# KiCad board Boston-PCB-V08D.kicad_pcb (continued)
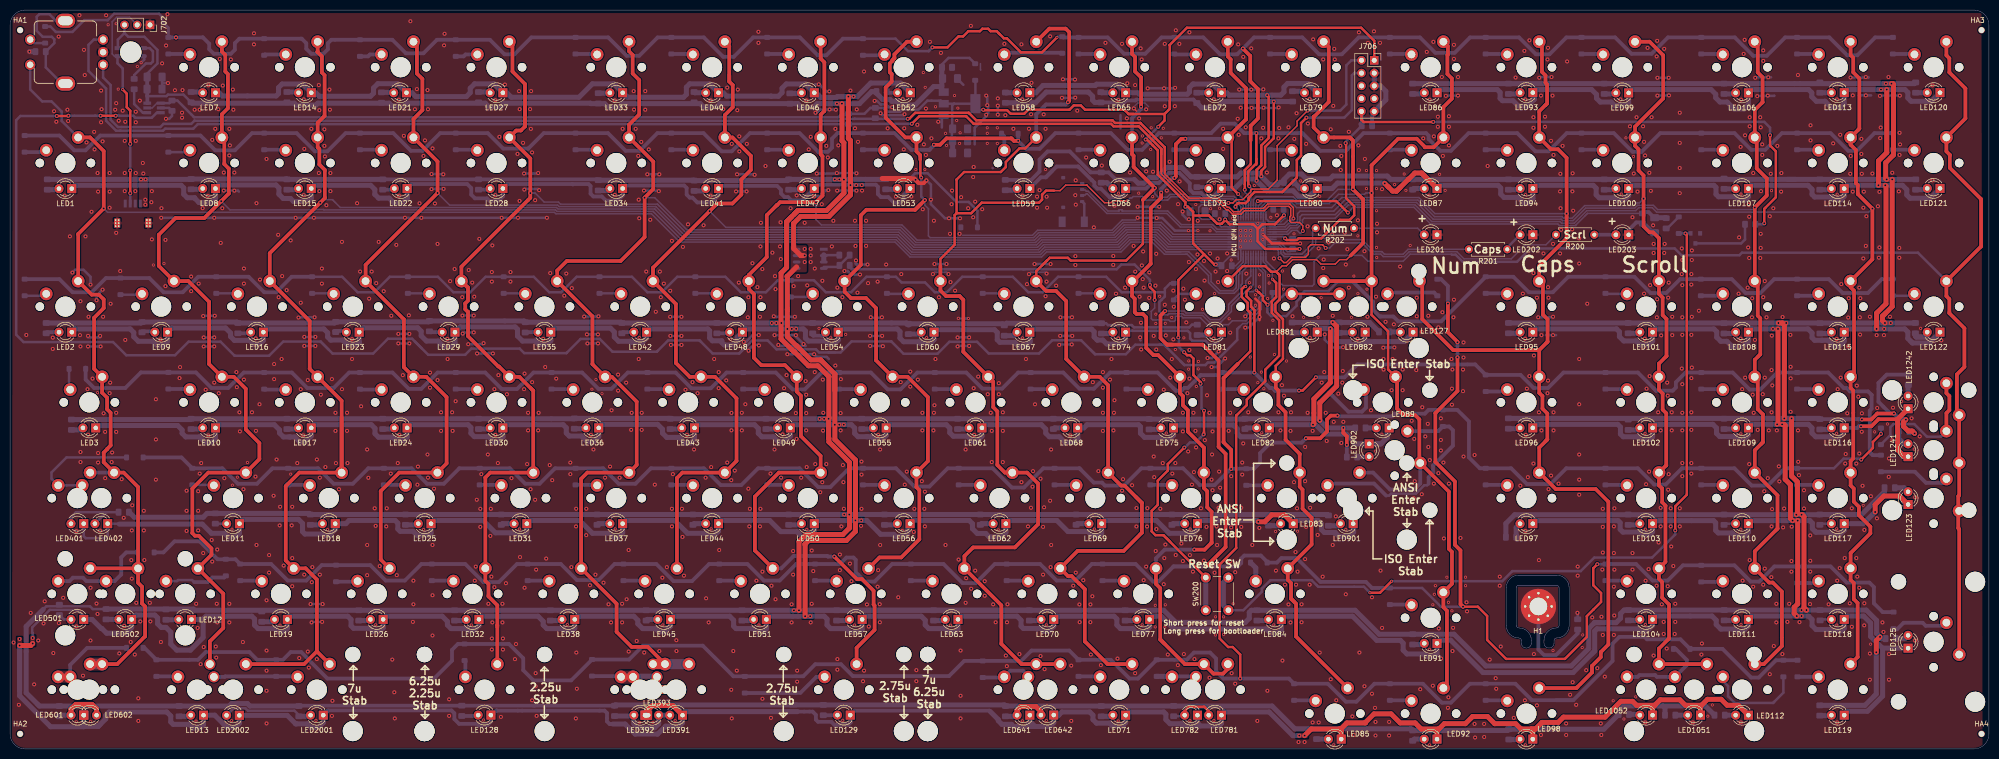
[diagram p0: board, top side]
## Routing (per net, layer and track width the routed paths; a pad name or vN(x,y) marks a point on that pad's centre or on a via; arc(x,y) is an arc through that point) (continued)
  Bottom w1: LED882.1 269.4,82.88 269.4,81.03 ; 321.4,128.03 321.83,128.46 LED99.1 322.5,131.18 338.22,131.18 339.15,130.25 339.15,129.55 340,128.7 341.43,128.7 342.8,127.33 344.8,127.33 345.64,128.17 LED106.1 346.31,131.18 357.62,131.18 358.25,130.55 358.25,129.75 359.15,128.85 360.88,128.85 ; 321.4,128.03 319.05,128.03 318.38,128.7 316.2,128.7 315.45,129.45 315.45,130.2 314.47,131.18 303.4,131.18 LED93.1 303.05,130.3 303.05,129.18 303,129.18 301.75,127.92 299.9,127.92 298.86,128.97 296.74,128.97 296.27,129.43 296.27,130.62 295.71,131.18 284.38,131.18 LED86.1 ; 321.4,128.03 321.5,128.12 ; LED87.1 284.37,112.13 295.87,112.13 296.4,111.6 296.4,110.38 297.05,109.72 299.85,109.72 300.95,108.62 301.9,108.62 302.8,109.53 LED94.1 303.43,112.13 314.79,112.13 315.38,111.55 315.38,110.25 315.98,109.65 319.07,109.65 319.7,109.03 320.75,109.03 321.83,110.11 LED100.1 ; 201.59,4.46 203.81,4.46 ; 201.59,4.46 202.06,4.46 202.77,5.17 ; 201.59,4.46 199.56,4.46 199.13,4.89 197.21,4.89 196.5,5.61 196.5,5.85 194.92,7.43 ; 203.81,4.46 205.24,4.46 205.25,4.45 206.73,4.45 207.52,5.24 LED642.1 208.54,6.75 209.15,7.35 214.68,7.35 215.32,6.72 215.32,5.84 216.03,5.13 218.62,5.13 219.2,4.55 221.12,4.55 ; 203.81,4.46 203.1,5.17 202.77,5.17 ; 59.25,108.92 59.35,109.03 ; 59.25,108.92 59.89,109.57 LED15.1 60.53,112.13 71.7,112.13 72.53,111.3 72.53,110.33 73.28,109.58 75.4,109.58 76.35,108.62 78.05,108.62 79,109.58 79,111.44 LED22.1 ; 59.25,108.92 56.35,108.92 55.77,109.51 54.31,109.51 53.46,110.36 53.46,111.62 52.87,112.21 41.56,112.21 LED8.1 40.84,109.57 40,108.72 37.55,108.72 36.72,109.56 36.72,109.66 35.23,109.66 34.53,110.36 34.53,111.62 34.02,112.13 12.93,112.13 LED1.1 ; 235.2,132.28 235.37,132.28 ; 235.2,132.28 239.14,132.28 LED72.1 241.9,130.55 242.38,130.07 v1(249.95,130.07) 252.68,130.07 253.3,130.7 253.3,131.68 254.02,132.4 258.06,132.4 LED79.1 ; 235.2,132.28 234.5,131.57 234.5,130.66 234.08,130.25 224.6,130.25 224.31,130.55 LED65.1 220.12,132.25 216.02,132.25 215.77,132 205.4,132 203.94,130.55 LED58.1 ; 269.4,81.03 268.82,80.45 266.68,80.45 266.25,80.88 266.25,81.03 263.68,81.03 262.82,81.88 262.82,83.28 v1(262.52,83.58) 262.43,83.67 260.65,83.67 LED881.1 ; 269.4,81.03 271.29,81.03 271.31,81.05 277.23,81.05 278.97,82.8 LED127.1 ; LED641.1 202.77,5.17 ; 173.22,61.39 172.08,61.39 171.35,62.12 170.46,62.12 ; 173.22,61.39 173.55,61.72 ; 173.22,61.39 174.19,62.37 LED55.1 174.83,64.51 186.17,64.51 186.85,63.83 186.85,62.91 187.54,62.22 190.35,62.22 191.4,61.17 192.2,61.17 193.25,62.22 LED61.1 193.88,64.51 205.05,64.51 205.93,63.63 205.93,62.82 206.64,62.11 208.63,62.11 209.77,60.97 211.4,60.97 212.3,61.87 LED68.1 213.5,63.87 214.14,64.51 224.37,64.51 224.76,64.12 224.76,62.81 225.58,61.99 228.74,61.99 229.3,61.42 230.35,61.42 231.35,62.42 LED75.1 231.91,64.44 243.27,64.44 244,63.71 244,62.78 244.68,62.1 247.93,62.1 248.5,61.53 248.98,61.53 250.39,62.94 LED82.1 251.03,64.51 v1(259.07,64.51) 259.61,64.51 261.48,62.64 265.68,62.64 267.62,60.69 LED902.1 272.57,60.69 ; 372.28,20.06 369.95,22.38 369.95,25.05 368.56,26.44 365.37,26.44 LED118.1 364.69,24 364.21,23.51 362.09,23.51 361.85,23.75 359.1,23.75 358.3,24.55 358.3,25.75 357.61,26.44 v1(356.22,26.44) v1(355.27,26.44) 346.32,26.44 LED111.1 345.64,24.47 344.43,23.25 343.57,23.25 342.98,23.85 340.15,23.85 339.25,24.75 339.25,25.6 338.41,26.44 327.27,26.44 LED104.1 326.6,24.57 325.38,23.36 324.28,23.36 323.74,23.9 315.52,23.9 315.08,23.46 315.08,19.49 ; 372.28,20.06 372.33,20 372.33,10.51 369.31,7.49 365.29,7.49 364.69,6.9 LED119.1 ; 372.28,20.06 LED125.1 ; LED3.1 17.51,64.35 33.32,64.35 34.21,63.46 34.21,62.8 34.93,62.08 37.69,62.08 38.7,61.08 40.2,61.08 40.84,61.72 LED10.1 41.48,64.51 52.54,64.51 53.58,63.47 53.58,62.85 54.36,62.07 55.7,62.07 ; 272.57,60.69 273.84,61.97 273.84,62.93 ; 272.57,60.69 271.67,60.69 ; 315.08,19.49 314.53,18.94 ; 315.08,19.49 310.79,15.19 292.88,15.19 286.43,21.64 284.37,21.64 LED91.1 283.73,18.93 283.18,18.38 281.68,18.38 281.15,18.9 277.75,18.9 277,19.65 277,21.05 276.45,21.6 271.75,21.6 266.94,26.41 253.41,26.41 LED84.1 252.78,23.8 252.8,23.78 252.1,23.07 250.6,23.07 249.8,23.88 231.4,23.88 228.87,26.41 227.22,26.41 LED77.1 226.58,24.26 225.55,23.22 223.94,23.22 223.22,23.94 220.79,23.94 220.07,24.66 220.07,25.85 219.51,26.41 208.17,26.41 LED70.1 207.53,24.41 206.52,23.4 205.55,23.4 204.98,23.97 201.47,23.97 201.02,24.42 201.02,25.61 200.23,26.41 189.12,26.41 LED63.1 188.48,23.81 187.84,23.16 186.69,23.16 185.91,23.94 182.69,23.94 181.97,24.66 181.97,25.61 181.18,26.41 170.07,26.41 LED57.1 169.43,23.78 168.82,23.18 167.03,23.18 166.26,23.94 163.16,23.94 162.45,24.66 162.45,25.85 161.89,26.41 v1(159.08,26.41) v1(158.08,26.41) 151.02,26.41 LED51.1 150.38,23.88 149.82,23.32 148.43,23.32 147.81,23.94 144.35,23.94 143.87,24.42 143.87,25.61 143.08,26.41 131.97,26.41 LED45.1 131.33,24.43 130.18,23.28 129.03,23.28 128.36,23.94 125.78,23.94 124.82,24.9 124.82,25.61 124.03,26.41 112.92,26.41 LED38.1 112.28,24.01 111.75,23.47 110.45,23.47 109.98,23.94 106.73,23.94 106.01,24.66 106.01,25.37 104.98,26.41 93.87,26.41 LED32.1 93.23,24.58 ; LED83.1 255.8,45.46 260.06,45.46 260.75,44.77 260.75,43.64 261.32,43.07 263.45,43.07 264.25,42.28 266.27,42.28 267.15,43.15 267.15,44.73 LED901.1 ; LED100.1 322.47,112.13 338.79,112.13 339.2,111.72 339.2,110.35 339.7,109.85 343.07,109.85 343.76,109.16 344.94,109.16 345.64,109.87 LED107.1 345.64,111.5 346.28,112.13 357.49,112.13 358.3,111.33 358.3,110.33 358.82,109.8 362.05,109.8 362.6,109.25 364,109.25 364.69,109.94 LED114.1 365.36,112.13 v1(371.51,112.13) v1(372.86,112.13) 376.28,112.13 377.14,111.27 377.14,110.22 377.8,109.56 381.78,109.56 LED121.1 ; LED100.1 321.83,110.21 ; LED602.1 14.66,4.52 14.7,4.47 ; 17.52,4.47 14.7,4.47 ; 17.52,4.47 19.03,5.98 19.03,6.69 19.69,7.36 31.16,7.36 31.95,6.56 31.95,5.37 32.43,4.89 35.61,4.89 36.34,4.16 37.76,4.16 38.46,4.86 LED13.1 40.69,6.72 43.11,4.3 ; 17.52,4.47 17.98,4.94 ; 14.7,4.47 14.64,4.42 8.06,4.42 1.9,10.57 v1(1.9,20.57) 1.9,11.57 ; 236.09,5.45 LED782.1 236.09,4.92 ; LED95.1 303.43,83.57 319.43,83.57 320,83 320,82.03 320.85,81.17 323.3,81.17 324.1,80.38 325.85,80.38 326.6,81.12 LED101.1 327.23,83.56 338.79,83.56 339.35,83 339.35,81.9 340.15,81.1 341.38,81.1 342.4,80.08 344.6,80.08 345.64,81.12 LED108.1 346.28,83.56 v1(350.53,83.56) v1(351.53,83.56) 357.52,83.56 358.3,82.78 358.3,81.83 358.82,81.3 360.32,81.3 ; LED501.1 16.32,25.77 18.14,23.94 18.28,23.94 19.2,23.03 23.05,23.03 24.18,24.15 LED502.1 25.05,26.65 28.78,26.65 29.34,26.09 29.34,24.9 30.05,24.18 31,24.18 31.95,23.23 31.95,20.85 33.15,19.66 35.86,19.66 38.38,22.18 38.38,25.85 ; LED120.1 382.02,128.85 378,128.85 377.35,129.5 377.35,130.6 376.77,131.18 v1(373.16,131.18) v1(372.01,131.18) 365.31,131.18 LED113.1 364.69,128.32 364.1,127.72 362,127.72 360.88,128.85 ; 93.23,24.58 93.23,24.64 ; 93.23,24.58 92.18,23.53 91.35,23.53 90.93,23.94 87.68,23.94 86.96,24.66 86.96,25.37 85.93,26.41 74.82,26.41 LED26.1 74.18,24.08 73.55,23.45 72.1,23.45 71.55,24 68.3,24 67.8,24.5 67.8,25.75 67.14,26.41 55.51,26.41 55.13,26.03 LED19.1 55.13,23.98 54.45,23.3 53.35,23.3 52.71,23.94 49.31,23.94 48.62,24.63 48.62,25.85 48.06,26.41 38.94,26.41 38.38,25.85 ; 221.12,4.55 221.82,5.25 LED71.1 222.46,7.36 229.39,7.36 229.82,6.92 229.82,5.83 230.63,5.02 232.86,5.02 233.27,4.6 235.77,4.6 236.09,4.92 ; 221.12,4.55 221.35,4.78 ; 56.79,5 59.1,5 59.85,4.25 61.3,4.25 62.28,5.23 LED2001.1 ; 56.79,5 57,5 ; 56.79,5 55.11,6.68 45.61,6.68 LED2002.1 45.59,5.09 44.8,4.3 43.11,4.3 ; LED97.1 302.78,45.05 303.15,45.42 319.74,45.42 320.15,45.01 320.15,43.68 320.69,43.14 324.11,43.14 324.64,42.61 326.01,42.61 326.6,43.19 LED103.1 327.19,45.42 338.72,45.42 339.14,45 339.14,43.48 339.65,42.97 342.4,42.97 343.05,42.32 ; 362.15,62.1 359.03,62.1 358.28,62.85 358.28,63.87 357.57,64.58 v1(352.36,64.58) v1(351.36,64.58) 346.36,64.58 LED109.1 345.64,62.47 344.77,61.6 343.6,61.6 343.05,62.15 339.94,62.15 339.31,62.78 339.31,63.85 338.58,64.58 327.31,64.58 LED102.1 326.6,62.07 326.12,61.6 324,61.6 323.49,62.11 320.75,62.11 320.2,62.66 320.2,64.05 319.67,64.58 303.49,64.58 LED96.1 ; LED12.1 38.31,25.77 38.38,25.85 ; 343.05,42.32 343.94,42.32 ; 343.05,42.32 344.85,42.32 345.64,43.12 LED110.1 346.24,45.42 v1(354.44,45.42) v1(355.44,45.42) 357.87,45.42 358.37,44.92 358.37,43.81 358.94,43.24 358.95,43.24 359.09,43.1 361.9,43.1 362.5,42.5 363.7,42.5 364.69,43.5 LED117.1 368.5,44.82 370.82,47.14 v1(370.85,47.14) ; 43.11,4.3 42.3,5.11 ; LED52.1 177.07,132.47 171.13,132.47 168.45,129.79 v1(167.72,129.79) v1(166.69,129.79) 164.49,129.79 164.3,129.6 161.22,129.6 160.28,130.55 LED46.1 158.15,132.3 154.35,132.3 153.5,131.45 153.5,130.57 152.78,129.85 151.32,129.85 151.3,129.88 142.47,129.88 141.81,130.55 LED40.1 139.08,132.32 135.15,132.32 134.47,131.65 134.47,130.2 133.93,129.65 122.82,129.65 121.93,130.55 LED33.1 120.03,132.32 115.8,132.32 113.12,129.65 99.68,129.65 98.78,130.55 LED27.1 96.22,132.32 92.38,132.32 91.5,131.45 91.5,130.55 90.72,129.78 80.68,129.78 79.91,130.55 LED21.1 77.01,132.35 73.12,132.35 72.28,131.5 72.28,130.45 71.67,129.85 61.47,129.85 60.78,130.55 LED14.1 58.15,132.29 54.1,132.29 53.39,131.58 53.39,130.39 52.91,129.91 42.19,129.91 41.56,130.55 LED7.1 ; 21.72,44.72 38.22,44.72 40.05,42.9 42.65,42.9 43.38,42.18 44.85,42.18 45.61,42.93 LED11.1 46.47,45.68 57.34,45.68 58.15,44.87 58.15,43.23 58.62,42.76 62.19,42.76 62.5,42.45 63.45,42.45 64.66,43.66 LED18.1 66.76,44.82 67.4,45.46 76.57,45.46 77.1,44.93 77.1,43.76 77.57,43.29 80.13,43.29 80.89,42.54 83.29,42.54 83.71,42.96 LED25.1 84.35,45.46 94.04,45.46 96.5,43 100.12,43 100.57,42.55 102.25,42.55 102.76,43.06 LED31.1 103.4,45.46 113.24,45.46 115.8,42.9 119.3,42.9 120.1,42.1 120.9,42.1 121.81,43.01 LED37.1 122.45,45.46 132.14,45.46 134.7,42.9 138.5,42.9 138.5,42.82 139,42.32 139.88,42.32 140.86,43.31 LED44.1 141.5,45.46 151.04,45.46 153.26,43.24 156.45,43.24 157.39,42.3 158.88,42.3 159.91,43.33 LED50.1 160.55,45.46 v1(168.08,45.46) v1(169.23,45.46) 170.34,45.46 173.1,42.7 175.72,42.7 176.15,42.28 177.8,42.28 178.5,42.97 178.5,44.36 LED56.1 179.6,45.46 190.72,45.46 191.36,44.81 191.36,43.81 192.3,42.88 194,42.88 194.68,42.2 197.12,42.2 198.01,43.08 LED62.1 198.65,45.46 208.14,45.46 210.35,43.25 214.3,43.25 215.12,42.43 216.55,42.43 217.06,42.93 LED69.1 217.7,45.46 227.94,45.46 230.5,42.9 233.8,42.9 234.1,42.6 235.02,42.6 236.11,43.68 LED76.1 236.75,45.46 247.93,45.46 v1(248.2,45.19) ; 236.09,4.92 236.33,4.92 236.68,4.57 240.35,4.57 240.87,5.09 LED781.1 241.51,7.36 250.35,7.36 255.06,2.65 v1(256.35,2.65) ; 119.88,4.95 122.3,4.95 124.3,2.95 128.75,2.95 130.32,4.53 133.03,4.53 133.71,5.21 LED391.1 134.42,7.43 156.58,7.43 ; 378.25,80.78 381.75,80.78 381.75,80.92 LED122.1 ; 378.25,80.78 377.35,81.67 377.35,82.95 376.74,83.56 v1(372.63,83.56) v1(371.13,83.56) 365.33,83.56 LED115.1 364.69,81.12 363.7,80.12 362.65,80.12 361.48,81.3 360.32,81.3 ; 378.25,80.78 377.8,81.22 ; 55.7,62.07 56.61,62.07 57.6,61.08 58.7,61.08 59.89,62.27 LED17.1 60.53,64.51 71.82,64.51 72.56,63.77 72.56,62.72 73.26,62.02 76.06,62.02 76.75,61.33 78.25,61.33 78.94,62.02 LED24.1 79.58,64.51 91.07,64.51 91.64,63.94 91.64,62.8 92.31,62.13 95.15,62.13 96.2,61.08 97,61.08 98,62.07 LED30.1 98.63,64.51 109.99,64.51 110.6,63.9 110.6,62.84 111.19,62.25 113.62,62.25 114.7,61.17 116.1,61.17 117.04,62.12 LED36.1 117.76,64.58 128.76,64.58 129.74,63.6 129.74,62.82 130.58,61.98 133.09,61.98 134.2,60.88 135.3,60.88 136.09,61.67 LED43.1 136.73,64.51 148.03,64.51 148.78,63.76 148.78,62.79 149.47,62.1 151.78,62.1 152.7,61.17 154.1,61.17 155.15,62.22 LED49.1 155.78,64.51 v1(164.88,64.51) v1(165.78,64.51) 167.27,64.51 167.94,63.84 167.94,62.78 168.6,62.12 170.46,62.12 ; 55.7,62.07 55.41,62.07 ; 360.88,128.85 360.82,128.85 ; 360.32,81.3 360.18,81.3 ; LED2.1 12.91,83.56 23.89,83.56 24.6,82.85 24.6,82 25.5,81.1 28.38,81.1 29.17,80.3 30.53,80.3 31.32,81.09 LED9.1 32.14,83.74 42.86,83.74 43.85,82.75 43.85,82.03 44.6,81.28 47.64,81.28 48.5,80.42 49.55,80.42 50.37,81.25 LED16.1 51.01,83.56 62.39,83.56 63.15,82.8 63.15,81.95 63.76,81.34 66.14,81.34 67.12,80.36 68.88,80.36 69.45,80.92 69.42,80.95 LED23.1 70.29,83.79 81.06,83.79 81.75,83.1 81.75,82.2 82.8,81.15 85.12,81.15 86.25,80.03 87.75,80.03 88.47,80.75 LED29.1 89.51,83.96 100.44,83.96 100.9,83.5 100.9,82.15 101.9,81.15 104.43,81.15 105.15,80.42 106.65,80.42 107.43,81.2 107.52,81.2 LED35.1 108.32,83.72 119.38,83.72 120.15,82.95 120.15,81.95 121,81.1 123.28,81.1 123.5,80.88 125.7,80.88 126.57,81.75 LED42.1 127.21,83.56 138.74,83.56 139.1,83.2 139.1,81.75 139.65,81.2 141.53,81.2 141.53,80.85 142,80.38 143.9,80.38 144.6,81.08 144.6,81.88 144.59,81.89 LED48.1 146.26,83.56 v1(155.43,83.56) 157.74,83.56 158.15,83.15 158.15,81.75 158.75,81.15 162.22,81.15 162.82,80.55 163.88,80.55 164.67,81.34 LED54.1 164.67,83.17 165.06,83.56 176.43,83.56 176.95,83.04 176.95,81.73 177.67,81.01 180.69,81.01 180.97,80.72 183.05,80.72 183.72,81.39 LED60.1 183.72,83.19 183.93,83.4 195.76,83.4 196.29,82.87 196.29,81.41 196.8,80.9 199.72,80.9 200.45,80.17 201.95,80.17 202.85,81.08 202.85,82.84 LED67.1 203.36,83.51 215.06,83.51 215.55,83.02 215.55,81.96 216.12,81.39 216.15,81.39 216.2,81.34 217.29,81.34 218.05,80.58 221.4,80.58 221.82,81 LED74.1 ; v1(273.34,112.51) 273.27,112.58 263.95,112.58 262.88,111.5 LED80.1 258.27,109.85 256.32,109.85 255.12,111.05 249.85,111.05 v1(247.86,113.04) 247.5,113.4 245.4,113.4 243.5,111.5 LED73.1 ; 62.91,7.36 62.28,6.72 ; 170.46,62.12 170.25,62.12
  vias: v1(1.9,21.88) v1(156.3,83.58) v1(158,99.47) v1(158,98.17) v1(158,96.88) v1(168.25,112.17) v1(169.35,112.17)
NRST: length 147.5
  Top w0.5: J706.10 268.71,125.16 269.15,124.72 282.95,124.72 v1(282.98,124.75) ; v1(348.8,104.58) 348.8,107.45 351.1,109.75 351.1,118.9 349.95,120.05 v1(349.95,122.1) ; v1(265.55,120.53) 265.65,120.42 265.65,109.58 267.27,107.95 267.27,106.16 266.37,105.25 264.4,105.25 260.73,101.58 256.21,101.58 255.88,101.26 253.86,101.26 v1(253.53,101.58)
  Bottom w0.3: U701.7 253.24,101.88 v1(253.53,101.58)
  Bottom w0.5: C702.1 265.55,120.78 v1(265.55,120.53) ; R703.1 348.6,104.38 v1(348.8,104.58) ; v1(282.98,124.75) 348.8,124.75 349.95,123.6 v1(349.95,122.1)
  Bottom w0.75: J706.10 268.77,126.78 C702.1 268.48,124.3
NUM_INDICATOR: length 14.5
  Bottom w0.3: LED201.2 279.88,103.6 R202.1
RGBLED: length 372.9
  Top w0.5: 11.55,125.97 11.5,125.92 v1(9.3,125.92) ; v1(18,125.97) v1(21,125.97)
  Bottom w0.3: U701.15 248.71,95.89 249.61,94.99 249.61,90.29 249.48,90.15 249.45,90.15 248.77,89.47 248.77,87.45 245.95,84.62 245.1,84.62 244.45,83.97
  Bottom w0.5: 80.49,81.06 81.9,79.65 ; 233.5,76.38 229.45,80.42 228.55,80.42 ; 233.5,76.38 232.74,77.14 ; 233.5,76.38 237.67,76.38 238.17,76.88 239.5,76.88 244,81.38 244,83.53 244.45,83.97 ; 110.62,78.75 110.72,78.85 ; 110.62,78.75 113.45,81.57 117.25,81.57 119.8,79.03 128.59,79.03 ; 110.62,78.75 102.22,78.75 101.32,79.65 91.72,79.65 90.49,78.41 83.14,78.41 79.94,81.61 75.14,81.61 72.19,78.66 64.14,78.66 61.75,81.05 54.32,81.05 51.5,78.22 44.65,78.22 41.85,81.03 35.5,81.03 32.8,78.33 23.1,78.33 20.47,80.95 2.67,80.95 1.23,82.4 1.23,125.1 2.05,125.92 v1(9.3,125.92) ; 144.97,78.67 146.05,79.75 ; 144.97,78.67 147.56,81.26 150.64,81.26 152.4,79.5 160.25,79.5 160.88,78.88 162.73,78.88 ; 144.97,78.67 139.7,78.67 137.1,81.28 ; 175.22,81.08 167.32,81.08 165.12,78.88 162.73,78.88 ; 175.22,81.08 176.82,79.47 176.82,79.45 177.65,78.62 184.4,78.62 186.78,81.01 192.27,81.01 194.6,78.67 204.59,78.67 207.22,81.31 212.97,81.31 215.75,78.53 ; 175.22,81.08 175.31,80.99 ; 228.55,80.42 228.85,80.42 ; 228.55,80.42 223.75,80.42 221.85,78.53 215.75,78.53 ; v1(18,125.97) 11.55,125.97 ; 162.73,78.88 164,78.88 ; 29.92,126.53 U705.3 29.18,126.58 28.17,125.58 24.9,125.58 24.5,125.97 v1(21,125.97) 21.65,125.97 ; 128.59,79.03 130.85,81.28 137.1,81.28 ; 128.59,79.03 128.8,79.23 ; 137.1,81.28 137.38,80.99 ; 215.75,78.53 214.8,79.47 ; 61.78,81.02 63.38,79.42
  vias: v1(11.6,125.97)
Row1: length 460.8
  Top w0.5: v1(245.5,111.25) 245.5,115.15 246.68,116.33 246.68,121.11 ; v2(208.16,141.56) 205.18,138.57 201,138.57 198.2,141.38 197.6,141.38 196.55,142.43 ; 196.55,142.43 196.18,142.8 194.97,142.8 194.48,143.28 193.33,143.28 192.84,142.8 190.54,142.8 189.5,141.76 188.59,141.76 186.4,139.57 v1(183.4,139.57) ; 196.55,142.43 196.8,142.18
  Top w0.75: v1(245.14,139.34) 246.6,137.88 246.6,132.82 248.12,131.3 248.12,125.42 246.68,123.98 246.68,121.11 ; 32.98,141.56 v1(32.99,141.56)
  Bottom w0.3: U701.41 246.21,110.09 245.5,110.8 v1(245.5,111.25)
  Bottom w0.5: D126.1 8.02,143.72 9.1,142.65 12.4,142.65 14.75,145 19.42,145 ; v2(208.16,141.56) 208.31,141.7 D58.1 ; 31.48,143.5 31.48,142.2 ; 31.48,143.5 D7.1 ; 31.48,143.5 30.25,144.72 30.25,145.62 29.6,146.28 20.7,146.28 19.42,145 ; 19.42,145 19.22,145 ; 182.65,138.82 183,139.18 ; 182.65,138.82 178.55,138.82 176.07,141.31 D52.1 ; 182.65,138.82 v1(183.4,139.57)
  Bottom w0.75: 209.4,141.55 212.44,141.55 D65.1 218.24,141.56 221.5,138.3 225.7,138.3 228.96,141.56 D72.1 237.24,141.56 240.6,138.2 244,138.2 v1(245.14,139.34) 247.36,141.56 D79.1 256.94,141.56 260.3,138.2 264.8,138.2 268.16,141.56 D86.1 280.34,141.56 283.42,138.48 287.23,138.48 290.3,141.56 D93.1 300.04,141.56 303.4,138.2 306.1,138.2 309.46,141.56 D99.1 319.14,141.56 322.4,138.3 326.4,138.3 329.66,141.56 D106.1 342.94,141.56 346.6,137.9 349.3,137.9 352.96,141.56 D113.1 361.74,141.56 365.3,138 367.3,138 370.86,141.56 D120.1 ; D52.1 165.61,141.31 162.3,138 160.6,138 157.04,141.56 D46.1 147.76,141.56 143.9,137.7 141.8,137.7 137.94,141.56 D40.1 128.76,141.56 125.1,137.9 122.6,137.9 118.94,141.56 D33.1 103.66,141.56 100.3,138.2 98.3,138.2 95.41,141.09 D27.1 84.88,141.09 82.2,138.4 78.7,138.4 76.01,141.09 D21.1 63.89,141.09 63.2,140.4 63.2,139.2 62.3,138.3 59.9,138.3 58.9,139.3 58.9,140.4 57.99,141.31 D14.1 45.59,141.31 44.7,140.41 44.7,139.1 43.9,138.3 40.5,138.3 39.6,139.2 39.6,140.3 38.34,141.56 D7.1
Row2: length 443.8
  Top w0.5: v1(247.81,122.51) 247.81,117.39 ; 247.81,117.39 247.81,116.49 246.2,114.88 246.2,112.17 v1(246.4,111.97) ; 247.81,117.39 247.81,116.26
  Top w0.75: v1(183.7,120.2) 184.93,120.2 186.2,121.47 199.1,121.47 ; 199.1,121.47 199.6,120.97 v1(200.45,120.97) ; 199.1,121.47 199.3,121.28
  Bottom w0.3: 247.59,122.42 247.5,122.51 ; U701.42 246.71,111.56
  Bottom w0.5: v1(246.4,111.97) 246.4,111.88 246.71,111.56
  Bottom w0.75: v1(183.7,120.2) 183.7,120.1 182.79,119.19 ; 164.54,122.51 163.44,121.41 163.44,119.64 162.6,118.8 160.7,118.8 156.99,122.51 D47.1 147.11,122.51 143.5,118.9 141.5,118.9 137.89,122.51 D41.1 128.71,122.51 125.2,119 122.4,119 118.89,122.51 D34.1 106.11,122.51 103.04,119.44 ; 164.54,122.51 D53.1 175.89,122.51 179.21,119.19 182.79,119.19 ; 164.54,122.51 166.31,122.51 ; v1(200.45,120.97) D59.1 ; 182.79,119.19 182.89,119.29 ; 103.04,119.44 98.06,119.44 94.99,122.51 D28.1 85.51,122.51 82,119 79.7,119 76.19,122.51 D22.1 66.71,122.51 63.1,118.9 60.6,118.9 56.99,122.51 D15.1 48.11,122.51 44.7,119.1 40.8,119.1 37.86,122.03 D8.1 17.94,122.03 15,119.09 12.75,119.09 9.81,122.03 D1.1 ; 103.04,119.44 103.09,119.49 ; 200.45,120.95 202,119.4 204.73,119.4 207.84,122.51 D66.1 218.89,122.51 222.2,119.2 225.1,119.2 228.41,122.51 D73.1 238.81,122.51 240.7,124.4 243.5,124.4 245.39,122.51 v1(247.81,122.51) D80.1 256.99,122.51 260.5,119 265.6,119 269.11,122.51 D87.1 281.56,122.51 282.06,122.01 282.06,121.34 284.4,119 286.5,119 290.01,122.51 D94.1 299.69,122.51 303.3,118.9 305.9,118.9 309.51,122.51 D100.1 318.89,122.51 322.6,118.8 324.4,118.8 328.11,122.51 D107.1 342.89,122.51 346.2,119.2 349,119.2 352.31,122.51 D114.1 361.99,122.51 365.5,119 367.2,119 370.71,122.51 D121.1
Row3: length 446.9
  Top w0.5: v1(250.04,88.36) 249.1,89.3 249.1,90.08 248.32,90.86 248.22,90.86 v2(247.8,91.28)
  Bottom w0.3: 230.19,86.36 230.4,86.58 233.2,86.58 233.52,86.25 237.11,86.25 238.46,84.91 240.73,84.91 ; 230.19,86.36 230.24,86.41 ; 230.19,86.36 229.21,86.36 228.53,87.05 ; 240.73,84.91 240.87,85.05 ; 240.73,84.91 242.85,87.03 242.85,88.17 245.65,90.97 247.2,90.97 247.71,91.48 U701.17
  Bottom w0.5: 228.53,87.05 228.53,88.95 228.9,89.33 228.92,89.33 229.61,90.02 229.61,90.83 ; 267.22,92.76 263.79,92.76 262.1,91.07 257.4,91.07 256.6,90.27 256.6,89.78 255.8,88.98 255.8,88.17 253.75,86.12 250.75,86.12 249.99,86.89 249.99,88.3 v1(250.04,88.36) 250.12,88.36 251.02,89.25 D88.1 ; D81.1 230.67,92.62 229.61,91.56 229.61,90.83 ; 229.61,90.83 229.59,90.86 221.03,90.86 217.95,93.94 D74.1 208.39,93.94 205.31,90.86 202.45,90.86 199.37,93.94 D67.1 189.34,93.94 186.26,90.86 183.88,90.86 181.93,92.81 177.27,92.81 176.14,93.94 D60.1 170.29,93.94 167.21,90.86 162.22,90.86 159.85,93.22 152.65,93.22 150.28,90.86 145.3,90.86 142.22,93.94 D48.1 132.66,93.94 129.59,90.86 126.73,90.86 123.65,93.94 D42.1 112.66,93.94 109.58,90.86 107.2,90.86 104.12,93.94 D35.1 94.56,93.94 91.49,90.86 88.15,90.86 85.07,93.94 D29.1 75.51,93.94 72.44,90.86 69.1,90.86 66.02,93.94 D23.1
  Bottom w0.75: 272.34,86.04 271,87.38 271,88.98 267.22,92.76 ; 272.34,86.04 275.04,86.04 276,85.07 284.55,85.07 D95.1 298.91,93.94 301.99,90.86 306.75,90.86 309.83,93.94 D101.1 322.96,93.94 326.2,90.7 329.3,90.7 332.06,93.46 D108.1 342.34,93.46 345.1,90.7 348,90.7 350.76,93.46 D115.1 361.64,93.46 364.4,90.7 369.4,90.7 372.16,93.46 D122.1 ; 272.34,86.04 272.64,86.04 ; D23.1 55.99,93.94 52.91,90.86 50.53,90.86 47.45,93.94 D16.1 37.42,93.94 34.34,90.86 30.53,90.86 27.7,93.68 D9.1 19.06,93.68 16.24,90.86 12.43,90.86 9.83,93.46 D2.1
Row4: length 446.3
  Top w0.5: v1(259.64,73.93) 257.01,71.3 v1(256.3,71.3) ; 247.41,87.31 246.77,87.95 246.77,89.15 245.85,90.08 245.85,91.03 v2(246.7,91.88) ; 247.41,87.31 247.41,86.76 ; 247.41,87.31 v1(247.41,74.89)
  Bottom w0.3: U701.18 247.21,92.39 v2(246.7,91.88)
  Bottom w0.75: 251.48,71.3 v1(256.3,71.3) ; 251.48,71.3 250.96,71.81 250.49,71.81 ; 251.48,71.3 252.18,71.3 ; 236.75,74.38 240.4,74.38 240.91,74.89 D82.1 v1(247.41,74.89) 250.49,71.81 ; 236.75,74.38 236.47,74.1 ; 236.75,74.38 234.2,71.83 233.45,71.83 232.9,71.28 231.8,71.28 ; 327.29,71.28 323.68,74.89 D102.1 308.88,74.89 305.8,71.81 302.94,71.81 300.34,74.41 D96.1 291.33,76.5 267.9,76.5 265.33,73.93 D89.1 v1(259.64,73.93) ; 327.29,71.28 330.6,71.28 331.23,71.9 331.23,72.95 333.17,74.89 D109.1 342.51,74.89 345.9,71.5 348,71.5 351.39,74.89 D116.1 361.51,74.89 364.61,71.79 365.19,71.79 365.84,71.14 369.44,71.14 370.15,70.42 ; 327.29,71.28 326.75,71.81 ; 250.49,71.81 250.36,71.94 ; 370.15,70.42 370.15,67.67 369.78,67.3 369.78,59.02 370.35,58.45 D123.1 ; 370.15,70.42 370,70.58 ; 231.8,71.28 231.25,71.83 ; 231.8,71.28 228.19,74.89 D75.1 218.73,74.89 215.51,71.67 212.63,71.67 209.41,74.89 D68.1 200.46,74.89 197.26,71.69 193.33,71.69 190.13,74.89 D61.1 180.41,74.89 177.05,71.53 174.51,71.53 171.15,74.89 D55.1 161.38,74.89 158.02,71.53 155.61,71.53 152.25,74.89 D49.1 142.47,74.89 139.33,71.75 135.47,71.75 132.33,74.89 D43.1 122.83,74.89 119.58,71.64 116.99,71.64 113.74,74.89 D36.1 104.08,74.89 100.79,71.6 97.76,71.6 94.47,74.89 D30.1 85.01,74.89 81.75,71.63 79.3,71.63 76.04,74.89 D24.1 67.42,74.89 64.34,71.81 59.1,71.81 56.02,74.89 D17.1 46.46,74.89 43.39,71.81 40.05,71.81 36.95,74.91 D10.1 26.01,74.91 22.91,71.81 16.72,71.81 15.03,73.49 15.03,75.84 D3.1
Row5: length 453.5
  Top w0.5: 246.6,86.78 246.07,87.3 246.07,88.75 244.9,89.92 244.9,91.47 245.43,92 v2(245.7,92) ; 246.6,86.78 246.5,86.88 ; 246.6,86.78 246.6,79.1 244.1,76.6 ; v1(368.08,57.56) 370.4,59.88 370.4,61.08 v1(372,62.67)
  Top w0.75: v1(257.67,61.8) 260.5,61.8 261.86,63.16 261.86,65.57 262.6,66.31 v1(263.94,66.31) ; v1(242.8,55.7) 242.8,59.5 241.3,61 241.3,73.8 244.1,76.6
  Bottom w0.3: U701.19 246.71,94.11 245.7,93.1 v2(245.7,92)
  Bottom w0.5: v1(372,62.67) D124.1 ; v1(368.08,57.56) 367.89,57.75 364.57,57.75 362.66,55.84 D117.1
  Bottom w0.75: 236.57,52.5 233.24,55.84 D76.1 224.94,55.84 221.5,52.4 217.7,52.4 217.11,52.99 215.49,52.99 212.64,55.84 ; 236.57,52.5 239.5,52.5 242.75,55.75 D83.1 247.35,55.75 248.55,56.95 248.55,58.84 250.65,60.94 256.81,60.94 v1(257.67,61.8) ; 236.57,52.5 236.62,52.5 ; 212.64,55.84 212.86,55.61 ; 212.64,55.84 D69.1 205.44,55.84 201.6,52 199.2,52 195.36,55.84 D62.1 186.44,55.84 182.8,52.2 179.8,52.2 176.16,55.84 D56.1 166.84,55.84 163.1,52.1 160.7,52.1 156.96,55.84 D50.1 148.74,55.84 145.4,52.5 141.3,52.5 137.96,55.84 D44.1 127.43,55.84 124.35,52.76 121.01,52.76 117.94,55.84 D37.1 108.38,55.84 105.3,52.76 102.44,52.76 99.36,55.84 D31.1 89.33,55.84 86.25,52.76 82.91,52.76 79.84,55.84 D25.1 71.23,55.84 68.15,52.76 64.34,52.76 61.26,55.84 D18.1 52.18,55.84 49.1,52.76 45.29,52.76 42.21,55.84 D11.1 34.08,58 D4.1 ; v1(263.94,66.31) 264.08,66.17 274.77,66.17 275.3,66.7 281.3,66.7 282.05,67.45 D90.1 287.77,67.45 290.08,65.14 290.08,58 292.24,55.84 D97.1 298.46,55.84 301.6,52.7 306.3,52.7 309.44,55.84 D103.1 323.66,55.84 326.9,52.6 329.2,52.6 332.44,55.84 D110.1 342.86,55.84 346.3,52.4 349.5,52.4 352.94,55.84 D117.1
